# Altium PCB 75100_407_v5.0.PcbDoc (part 1 of 2)
Units mil, origin at the board's own origin, x right, y up, seen from the top; angles counter-clockwise.
Board outline 2985 x 1655 mil, 4 copper layers (Top Layer, Signal Layer 1, Signal Layer 2, Bottom Layer), stack 30.634 mil thick; 141 components, 93 nets, 559 pads, 408 vias.
Unrouted connection lines stored in the file: 2.
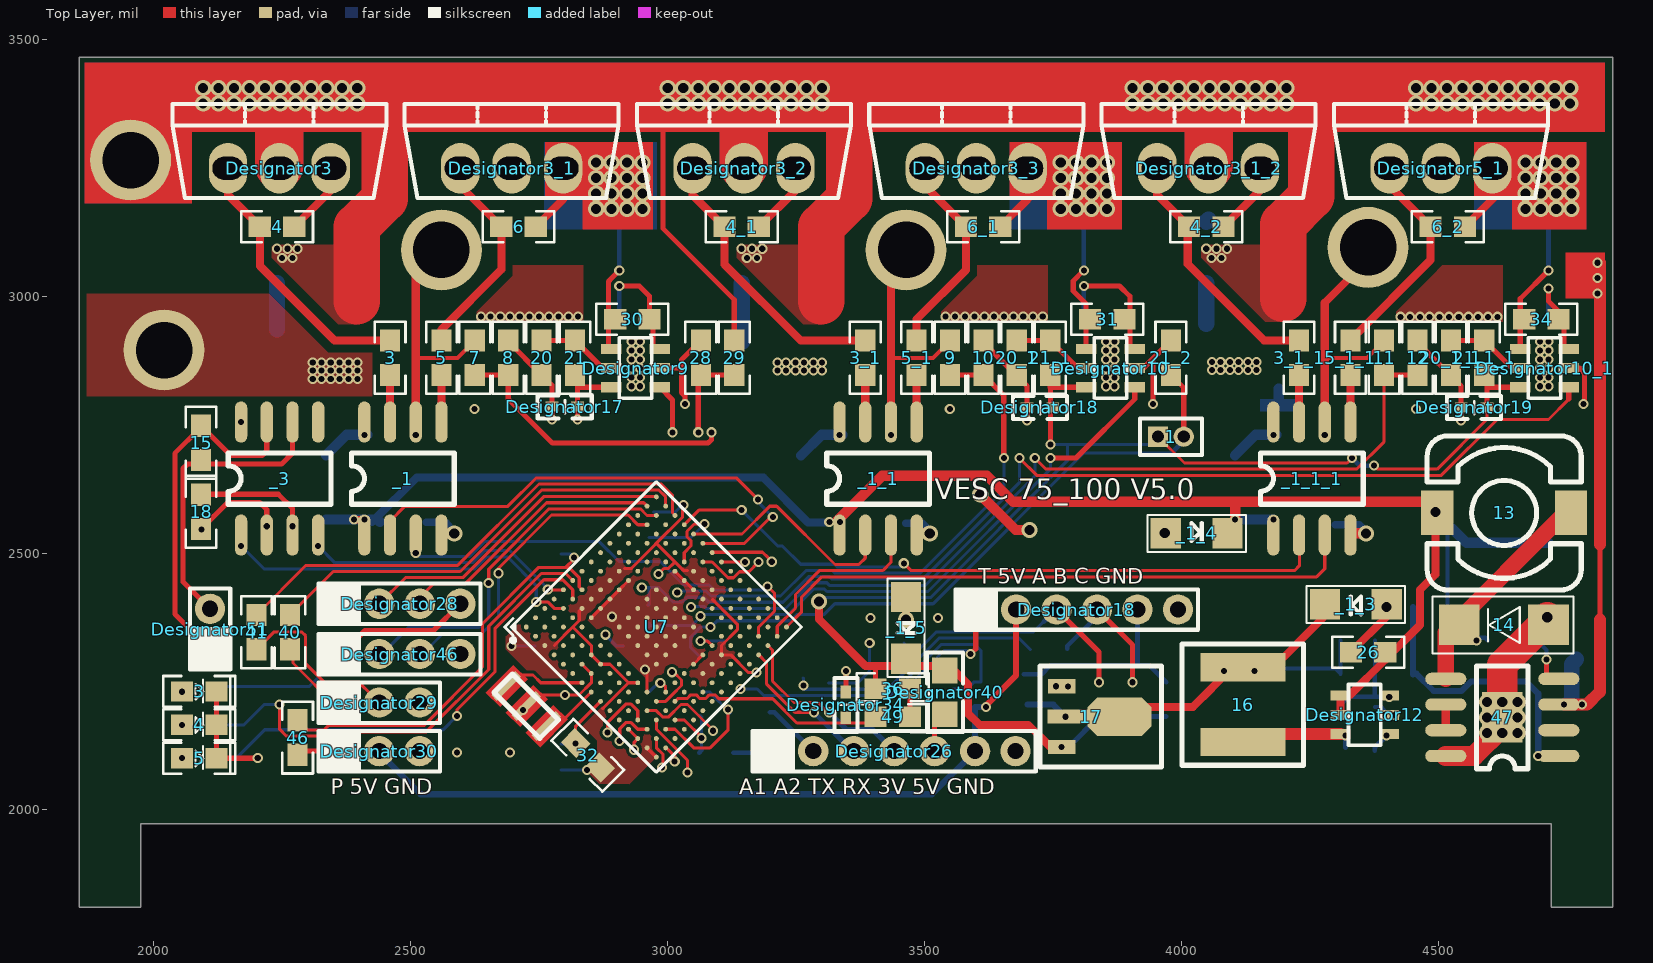
[diagram p0: Top Layer view]
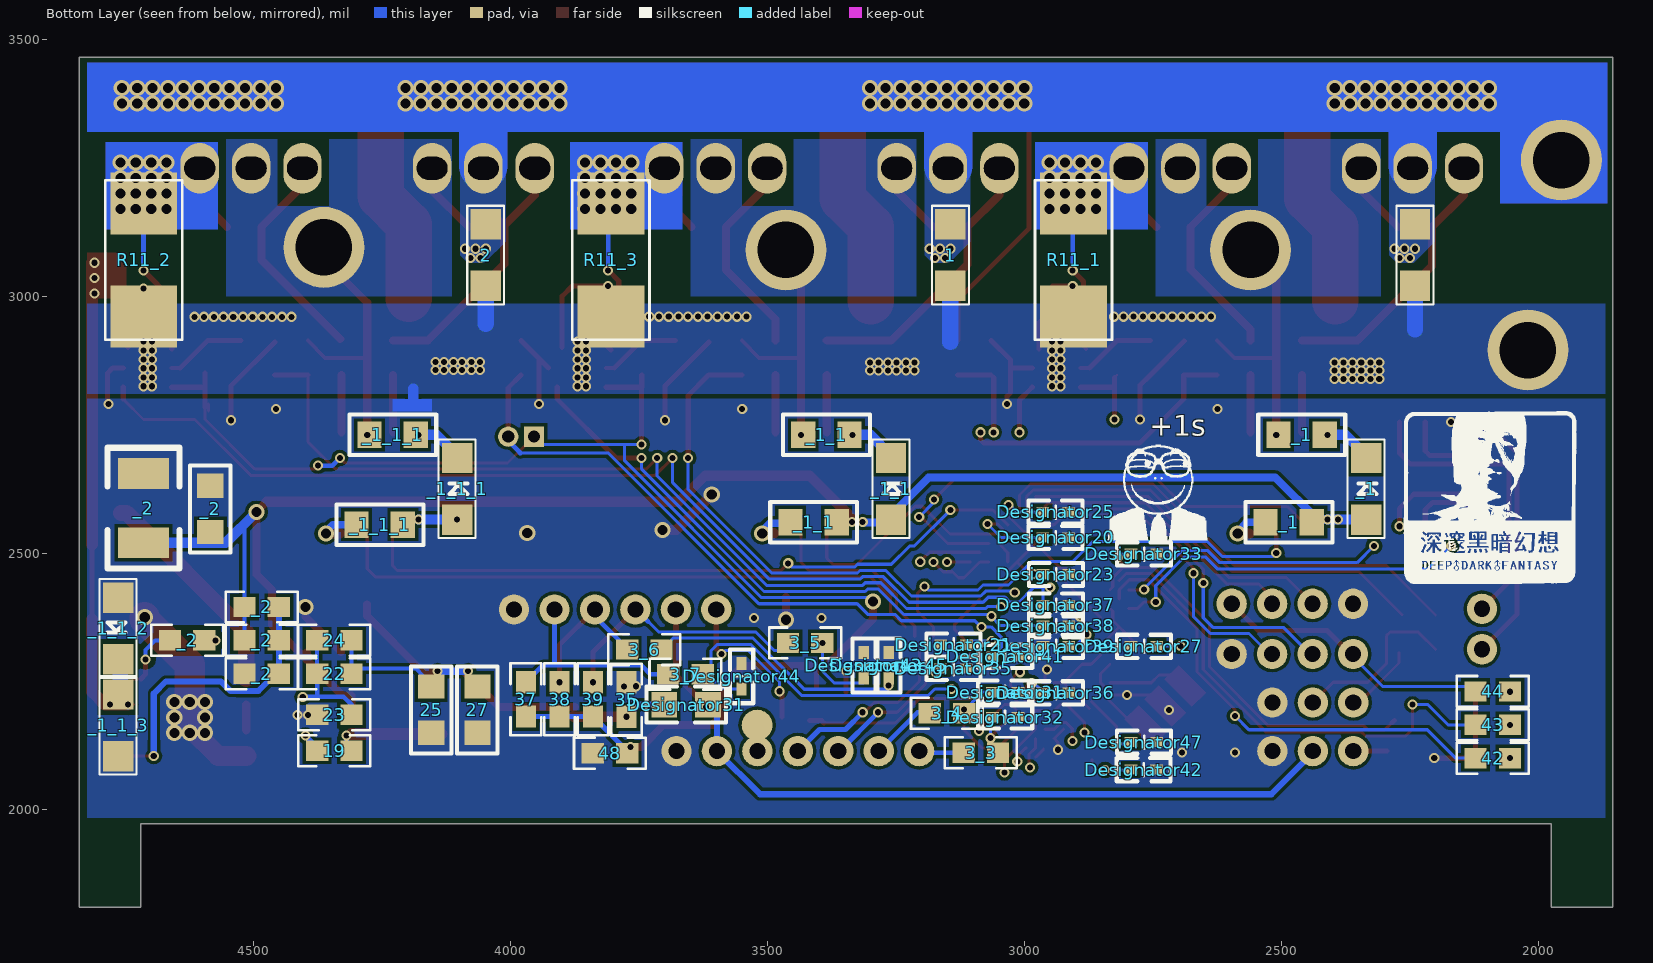
[diagram p1: Bottom Layer view, seen from below]
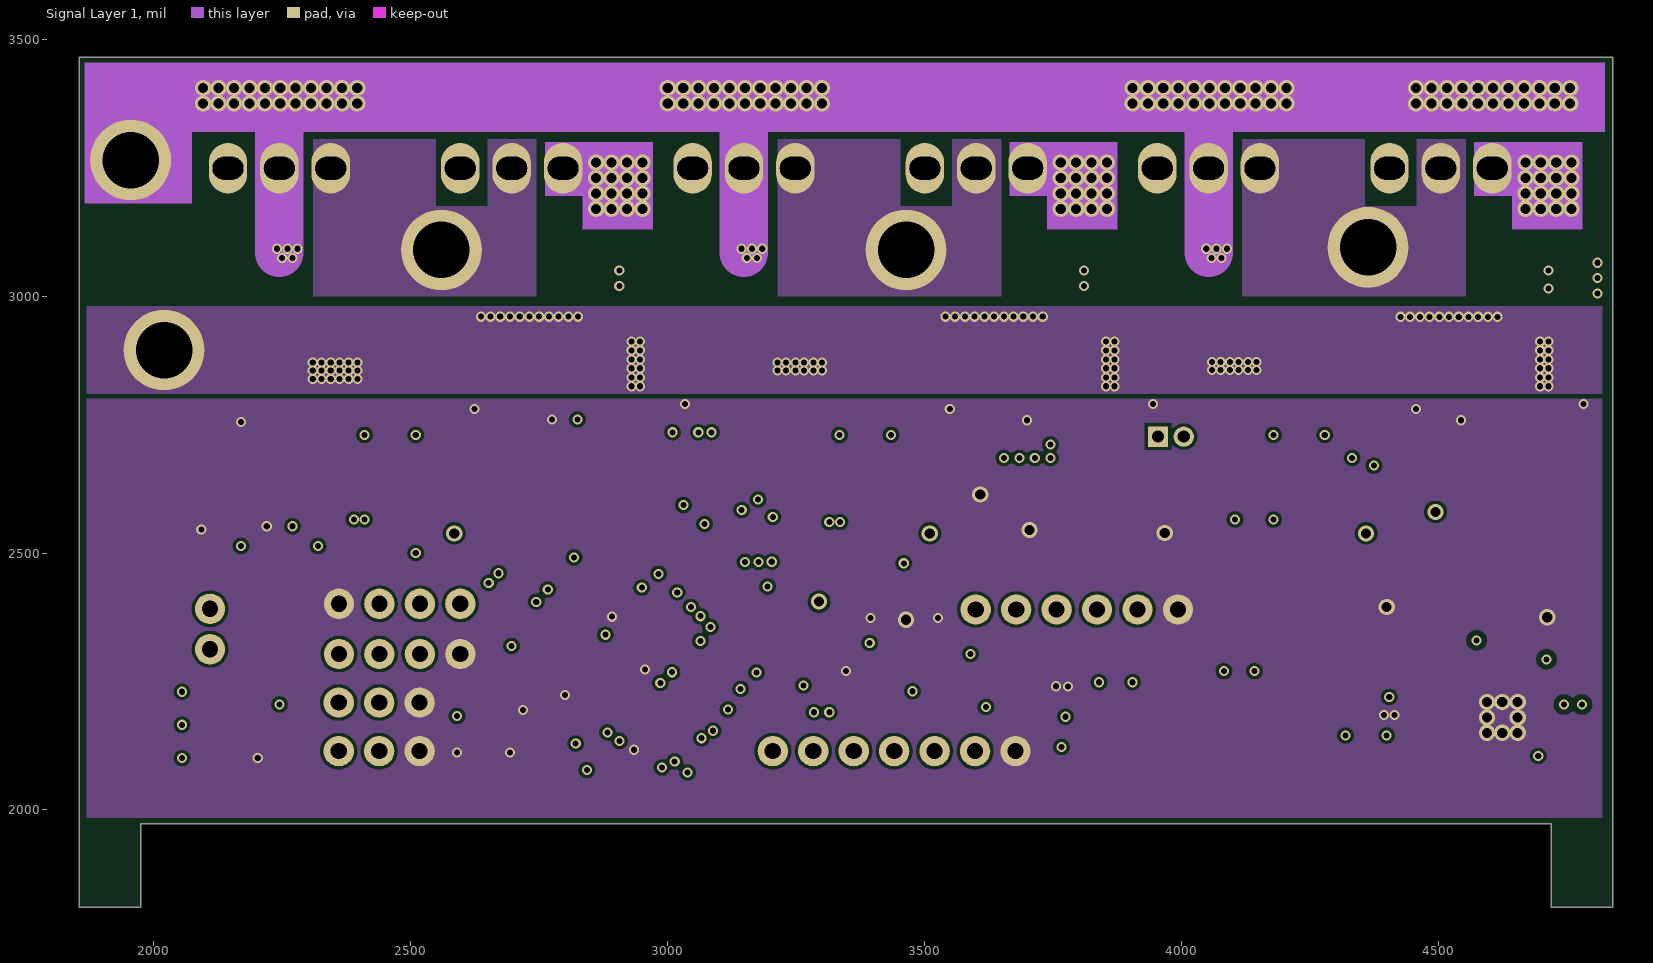
[diagram p2: Signal Layer 1]
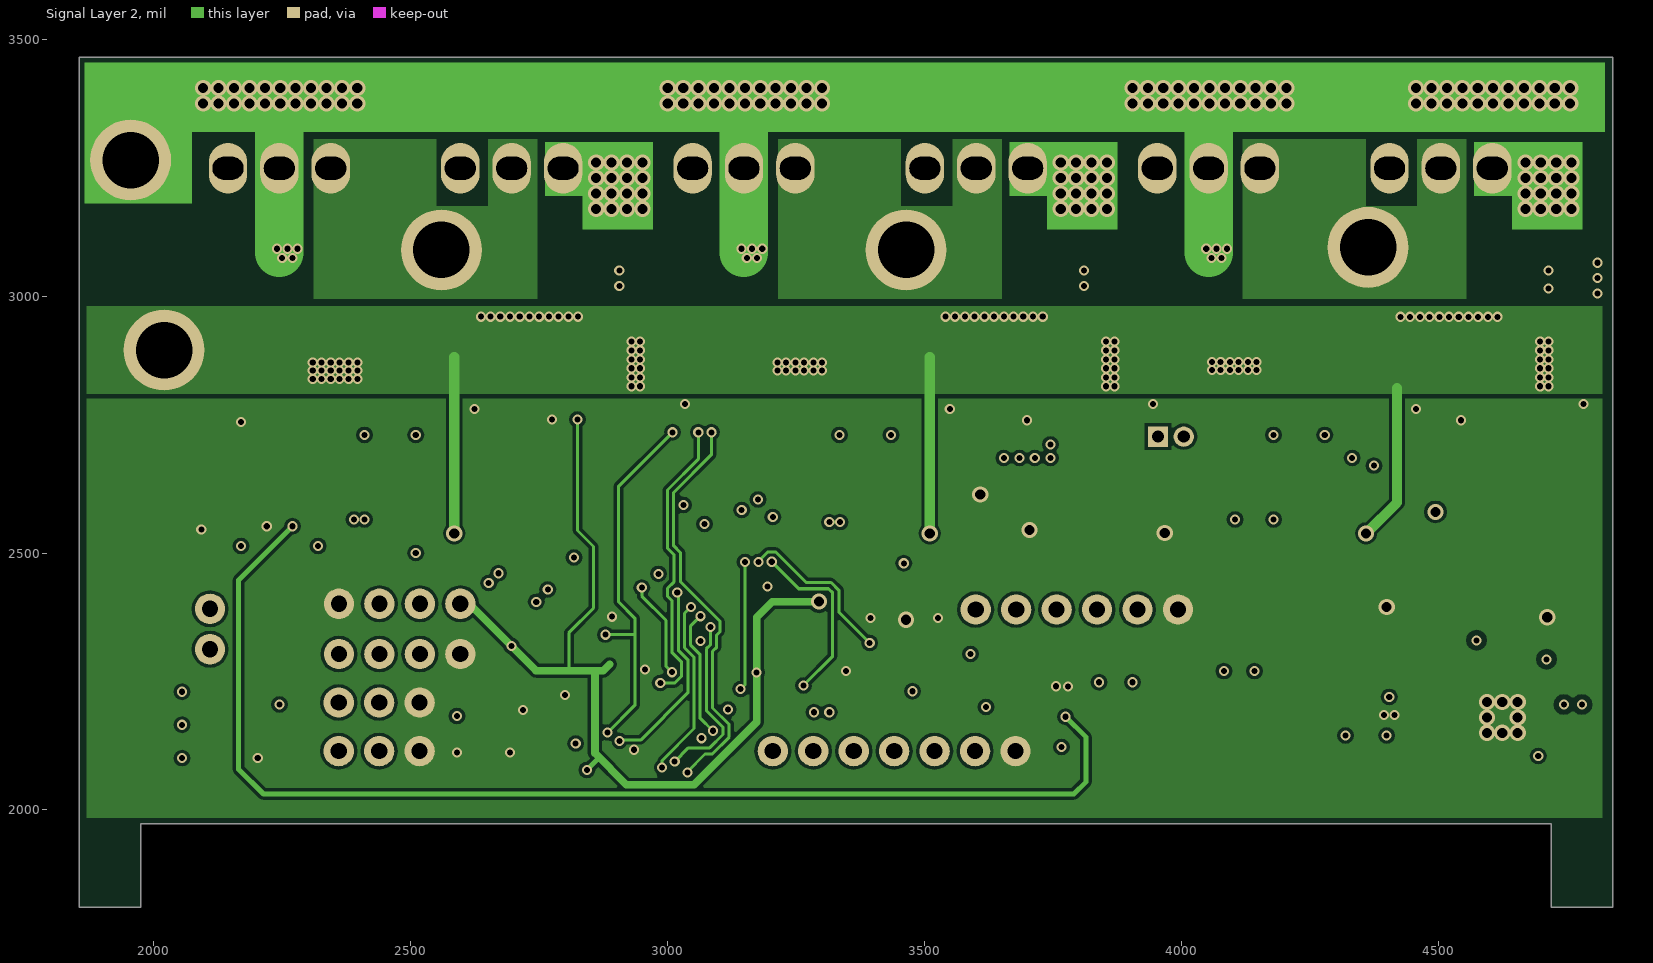
[diagram p3: Signal Layer 2]
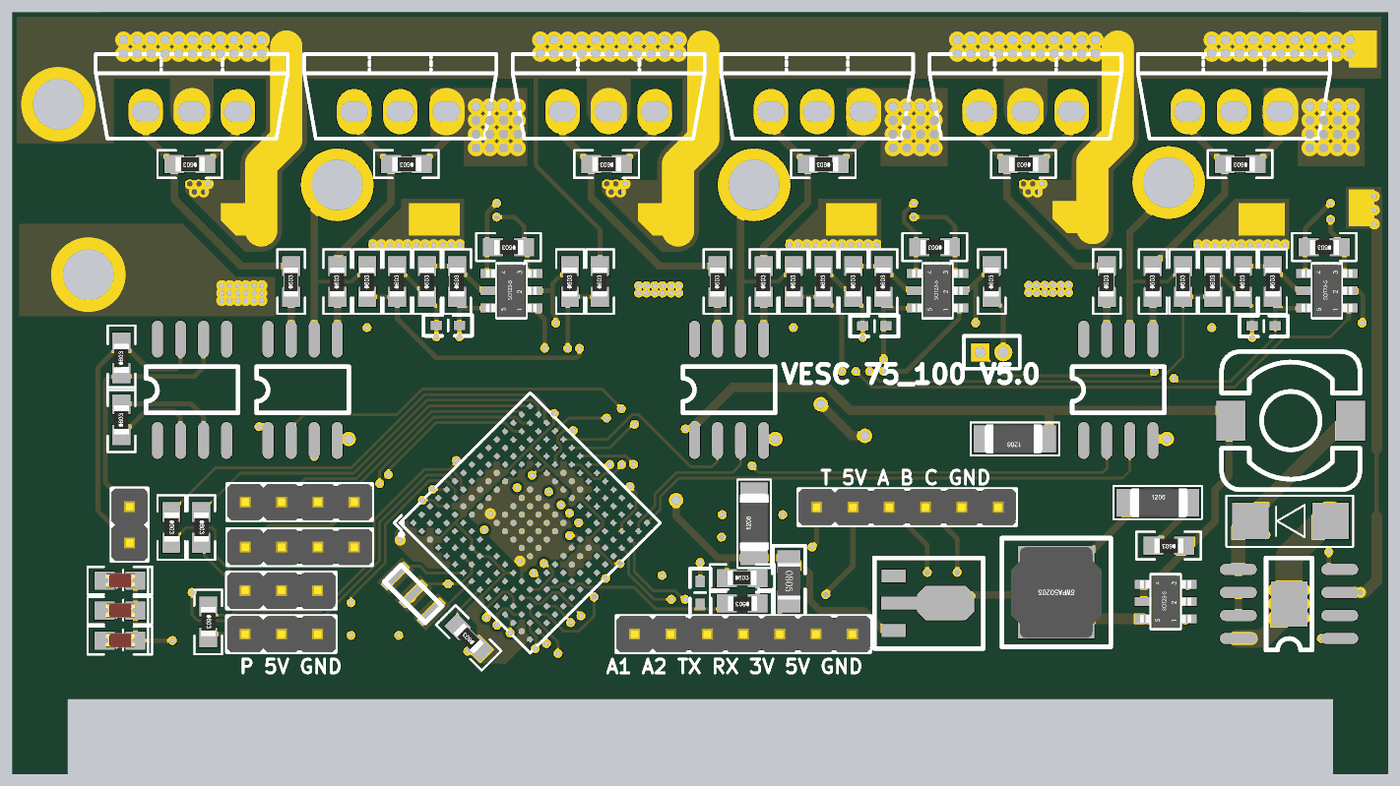
[diagram p5: 3D render of the assembled board from above, using the file's embedded part models]

## Layer stack, top to bottom
Top Solder: solder mask 0.4, Solder Resist, Dk 3.5
Top Layer: signal copper 1.4
Dielectric1: core 10, FR-4, Dk 4.2
Signal Layer 1: signal copper 1.417
Dielectric 3: prepreg 5, Dk 4.2
Signal Layer 2: signal copper 1.417
Dielectric 2: core 10, Dk 4.2
Bottom Layer: signal copper 1.4
Bottom Solder: solder mask 0.4, Solder Resist, Dk 3.5

## Board outline
1855,1810 1855,1968.46 1855,1968.5 1855,3464.57 2050,3464.57 2050,3465 4645,3465 4645,3464.57 4840,3464.57 4840,1810 4720,1810 4720,1973.46 1975,1973.46 1975,1810

## Design rules (kind name [scope] priority, off if disabled: settings)
Clearance Clearance_3 [InNet('bst1')] p1: gap=10 ignorepadtopadclearanceinfootprint=TRUE
Clearance Clearance_2 [InNet('sw1')] p2: gap=10 ignorepadtopadclearanceinfootprint=TRUE
Clearance Clearance_1 [InNet('vb')] p3: gap=10 ignorepadtopadclearanceinfootprint=TRUE
Clearance [All] p4: gap=6 ignorepadtopadclearanceinfootprint=TRUE except(0: Arc-Hole Track-Hole SMDPad-Hole THPad-Hole Via-Hole Fill-Hole Poly-Hole Region-Hole Text-Hole; 5: Arc-SMDPad Arc-THPad Arc-Text Track-SMDPad Track-THPad Track-Text SMDPad-SMDPad SMDPad-THPad SMDPad-Text THPad-THPad THPad-Text Via-Text Fill-Text Poly-Text Region-Text Text-Text)
ComponentClearance [All] p1: gap=-1000 collisioncheckmode=3 verticalgap=100000 showdistances=FALSE
PlaneClearance [All] p1: clearance=6
PlaneConnect [All] p1: planeconnectstyle=Relief reliefexpansion=6 reliefentries=4 reliefconductorwidth=6 reliefairgap=6
PolygonConnect PolygonConnect_1 [HasFootprint('TQFP64 10x10_L')] p1: connectstyle=Relief reliefconductorwidth=6 reliefentries=4 polygonreliefangle="90 Angle" airgapwidth=6
PolygonConnect [All vs InNetClass('All Nets')] p2: connectstyle=Direct reliefconductorwidth=10 reliefentries=4 polygonreliefangle="90 Angle" airgapwidth=10
RoutingVias [All] p1: holewidth=28 width=50 viastyle="Through Hole" minholewidth=28 minwidth=50 maxholewidth=28 maxwidth=50
SilkToSolderMaskClearance SilkscreenOverComponentPads [IsPad] p1: minsilkscreentomaskgap=10 clearancetoexposedcopper=TRUE
SolderMaskExpansion [All] p1: expansion=2
Width [All] p1: maxlimit=999 minlimit=6 preferedwidth=6 toplayer_maxwidth=984.25 bottomlayer_maxwidth=984.25 minimp=50.000000 maximp=50.000000 favimp=50.000000
26 further rules are at their usual default settings.

## Components (designator, comment, footprint, x,y, rotation, side; value= is the part's Value field where it differs from the comment)
1 "Comment" MHDR1X2 3955,2726.54 r0 top
1 "1N4148" 1206R 3144.41,3080 r180 bottom
2 "1N4148" 1206R 4048.82,3080 r180 bottom
3 "jb" 0603LED 2088.46,2230.61 r0 top
3 "jb" 0603R 2460,2880 r90 top
3_1 "jb" 0603R 3385,2880 r90 top
3_1_1 "jb" 0603R 4229.41,2880 r90 top
3_3 "jb" 0603R 3085,2111.31 r180 bottom
3_4 "jb" 0603R 3151,2188 r180 bottom
3_5 "jb" 0603R 3427.09,2325 r180 bottom
3_6 "jb" 0603R 3740,2312 r0 bottom
3_7 "jb" 0603R 3660,2264.18 r0 bottom
4 "jb" 0603LED 2088.46,2165.61 r0 top
4 "jb" 0603R 2240,3135 r180 top
4_1 "jb" 0603R 3144.41,3135 r180 top
4_2 "jb" 0603R 4048.82,3135 r180 top
5 "jb" 0603LED 2088.46,2100.61 r0 top
5 "jb" 0603R 2560,2880 r90 top
5_1 "jb" 0603R 3485,2880 r90 top
5_1_1 "jb" 0603R 4329.41,2880 r90 top
6 "jb" 0603R 2710,3135 r180 top
6_1 "jb" 0603R 3614.41,3135 r180 top
6_2 "jb" 0603R 4518.82,3135 r180 top
7 "jb" 0603R 2625,2880 r90 top
8 "jb" 0603R 2690,2880 r90 top
9 "jb" 0603R 3550,2880 r90 top
10 "jb" 0603R 3615,2880 r90 top
11 "jb" 0603R 4395,2880 r90 top
12 "jb" 0603R 4460,2880 r90 top
13 "47uH" SPRH74 4628.67,2578 r270 top (schematic designator L1)
14 "S210" 1N4001 4715,2360 r270 top (schematic designator D1)
15 "jb" 0603R 2092,2714.5 r90 top
16 "Comment" SWPA5020S 4120,2205 r90 top
17 "Comment" SOT-89 3967.2,2280.71 r270 top
18 "jb" 0603R 2092,2580 r90 top
19 "jb" 0603R 4343.46,2115 r180 bottom
20 "jb" 0603R 2755,2880 r90 top
20_1 "jb" 0603R 3680,2880 r90 top
20_1_1 "jb" 0603R 4525,2880 r90 top
21 "jb" 0603R 2820,2880 r90 top
21_1 "jb" 0603R 3745,2880 r90 top
21_1_1 "jb" 0603R 4590,2880 r90 top
21_2 "jb" 0603R 3980,2880 r90 top
22 "jb" 0603R 4343.46,2265 r180 bottom
23 "jb" 0603R 4343.46,2185 r0 bottom
24 "jb" 0603R 4343.46,2330 r180 bottom
25 "10u/25V" 0805C 4155.15,2149.26 r180 bottom (schematic designator C26)
26 "jb" 0603R 4363.82,2306.72 r180 top
27 "10u/25V" 0805C 4065.15,2149.26 r180 bottom (schematic designator C26)
28 "jb" 0603R 3065,2880 r90 top
29 "jb" 0603R 3130,2880 r90 top
30 "jb" 0603R 2931.62,2955 r180 top
31 "jb" 0603R 3856.11,2955 r180 top
32 "jb" 0603R 2845,2106.34 r135 top
34 "jb" 0603R 4701.11,2955 r180 top
35 "jb" 0603R 3775,2214.79 r90 bottom
36 "jb" 0603R 3438.46,2235.95 r0 top
37 "jb" 0603R 3970.56,2215 r90 bottom
38 "jb" 0603R 3905,2215 r90 bottom
39 "jb" 0603R 3840,2215 r90 bottom
40 "jb" 0603R 2265,2346.02 r270 top
41 "jb" 0603R 2200,2346.02 r270 top
42 "jb" 0603R 2088.46,2100.61 r0 bottom
43 "jb" 0603R 2088.46,2165.61 r0 bottom
44 "jb" 0603R 2088.46,2230.61 r0 bottom
46 "jb" 0603R 2280,2140.83 r270 top
47 "TPS5430" SO-8-PAD 4625,2180 r180 top (schematic designator TPS1)
48 "jb" 0603R 3806.97,2110.08 r0 bottom
49 "jb" 0603R 3438.46,2181.07 r180 top
_1 "IR21867" SO-8 2410,2535 r90 top (schematic designator U8)
_1 "10u/25V" 0805C 2415,2730 r90 bottom (schematic designator C27)
_1 "10u/25V" 0805C 2440,2560 r90 bottom (schematic designator C26)
_1 "1N4148" 1206R 2335,2625 r180 bottom
_1_1 "1N4148" 1206R 3260,2625 r180 bottom
_1_1 "10u/25V" 0805C 3365,2560 r90 bottom (schematic designator C26)
_1_1 "10u/25V" 0805C 3340,2730 r90 bottom (schematic designator C27)
_1_1 "IR21867" SO-8 3335,2535 r90 top (schematic designator U8)
_1_1_1 "IR21867" SO-8 4179.41,2535 r90 top (schematic designator U8)
_1_1_1 "10u/25V" 0805C 4184.41,2730 r90 bottom (schematic designator C27)
_1_1_1 "10u/25V" 0805C 4209.41,2555 r90 bottom (schematic designator C26)
_1_1_1 "1N4148" 1206R 4104.41,2625 r180 bottom
_1_1_2 "1N4148" 1206R 4764.41,2353.07 r180 bottom
_1_1_3 "1N4148" 1206R 4764.41,2164.65 r180 bottom
_1_3 "1N4148" 1206R 4340,2400 r270 top
_1_4 "1N4148" 1206R 4030,2538.24 r90 top
_1_5 "1N4148" 1206R 3464.41,2354.22 r0 top
_2 "10u/25V" 0805C 4585,2540 r180 bottom (schematic designator C26)
_2 "jb" 0603R 4485,2330 r0 bottom
_2 "jb" 0603R 4630,2330 r0 bottom
_2 "jb" 0603R 4485,2395 r180 bottom
_2 "jb" 0603R 4485,2265 r0 bottom
_2 "100u" 1210 4715,2520 r90 bottom (schematic designator C3)
_3 "IR21867" SO-8 2170,2535 r90 top (schematic designator U8)
Designator3 "Comment" TO220L 2243.46,3283.46 r0 top locked
Designator3_1 "Comment" TO220L 2695.67,3283.46 r0 top locked
Designator3_1_2 "Comment" TO220L 4052.28,3283.46 r0 top locked
Designator3_2 "Comment" TO220L 3147.87,3283.46 r0 top locked
Designator3_3 "Comment" TO220L 3600.08,3283.46 r0 top locked
Designator5_1 "Comment" TO220L 4504.49,3283.46 r0 top locked
Designator9 "Comment" SOT23-6 2985,2822.6 r270 top
Designator10 "Comment" SOT23-6 3909.49,2822.6 r270 top
Designator10_1 "Comment" SOT23-6 4754.49,2822.6 r270 top
Designator12 "Comment" SOT23-6 4404.49,2147.6 r270 top
Designator17 "Comment" 0402L 2777.48,2787.17 r0 top
Designator18 "Comment" HDR2.0-LI-6P 3796.85,2390 r0 top
Designator18 "Comment" 0402L 3702.48,2785.63 r0 top
Designator19 "Comment" 0402L 4547.48,2785.63 r0 top
Designator20 "Comment" 0402L 2962,2532.5 r180 bottom
Designator21 "Comment" 0402L 3160.52,2323.67 r180 bottom
Designator23 "Comment" 0402L 2961.49,2460.67 r180 bottom
Designator25 "Comment" 0402L 2962.02,2582.17 r180 bottom
Designator26 "Comment" HDR2.0-LI-7P 3441.29,2114.42 r0 top
Designator27 "Comment" 0402L 2790.02,2320.9 r180 bottom
Designator28 "Comment" HDR2.0-LI-4P 2478.58,2401.16 r0 top
Designator29 "Comment" HDR2.0-LI-3P 2438.8,2208.9 r0 top
Designator30 "Comment" HDR2.0-LI-3P 2438.8,2114.42 r0 top
Designator31 "Comment" 0805 3701.1,2204.89 r180 bottom
Designator31 "Comment" 0402L 3015,2226.83 r0 bottom
Designator32 "Comment" 0402L 3015,2178.13 r0 bottom
Designator33 "Comment" 0402L 2790.02,2500.48 r180 bottom
Designator34 "Comment" 0402L 3345,2181.65 r90 top
Designator35 "Comment" 0402L 3161,2277.5 r180 bottom
Designator36 "Comment" 0402L 2961.41,2230.33 r180 bottom
Designator37 "Comment" 0402L 2961.49,2401.16 r180 bottom
Designator38 "Comment" 0402L 2961.41,2361.03 r180 bottom
Designator39 "Comment" 0402L 2961.41,2320.9 r180 bottom
Designator40 "Comment" 0805 3540,2271.35 r270 top
Designator41 "Comment" 0402L 3015,2296.5 r0 bottom
Designator42 "Comment" 0402L 2790.52,2080.67 r180 bottom
Designator43 "Comment" 0402L 3315,2258.82 r90 bottom
Designator44 "Comment" 0402L 3553.03,2237.48 r90 bottom
Designator45 "Comment" 0402L 3266.2,2258.82 r90 bottom
Designator46 "Comment" HDR2.0-LI-4P 2478.58,2303.32 r0 top
Designator47 "Comment" 0402L 2790.02,2134.17 r180 bottom
Designator51 "Comment" HDR2.0-LI-2P 2109.5,2352.01 r90 top
R11_1 "0.5mR" 2512 2900,2960 r180 bottom (schematic designator R11)
R11_2 "0.5mR" 2512 4710,2960 r180 bottom (schematic designator R11)
R11_3 "0.5mR" 2512 3800.35,2960 r180 bottom (schematic designator R11)
U7 "UFBGA-201_L10.0-W10.0-P0.65-BL_STM32F407IGH6" UFBGA-201_L10.0-W10.0-P0.65-BL_STM32F407IGH6 2978.38,2356 r315 top (schematic designator U4)
X1 "8M" CSTCE 2787.64,2175.53 r135 top
? "1N4148" 1206R 2240,3080 r180 bottom